# Altium PCB NTAG I2C plus Class4 Antenna v1.PcbDoc
Units mil, origin at the board's own origin, x right, y up, seen from the top; angles counter-clockwise.
Board outline 2750 x 1500 mil, 2 copper layers (Top, Bottom); 6 components, 14 nets, 22 pads, 8 vias.
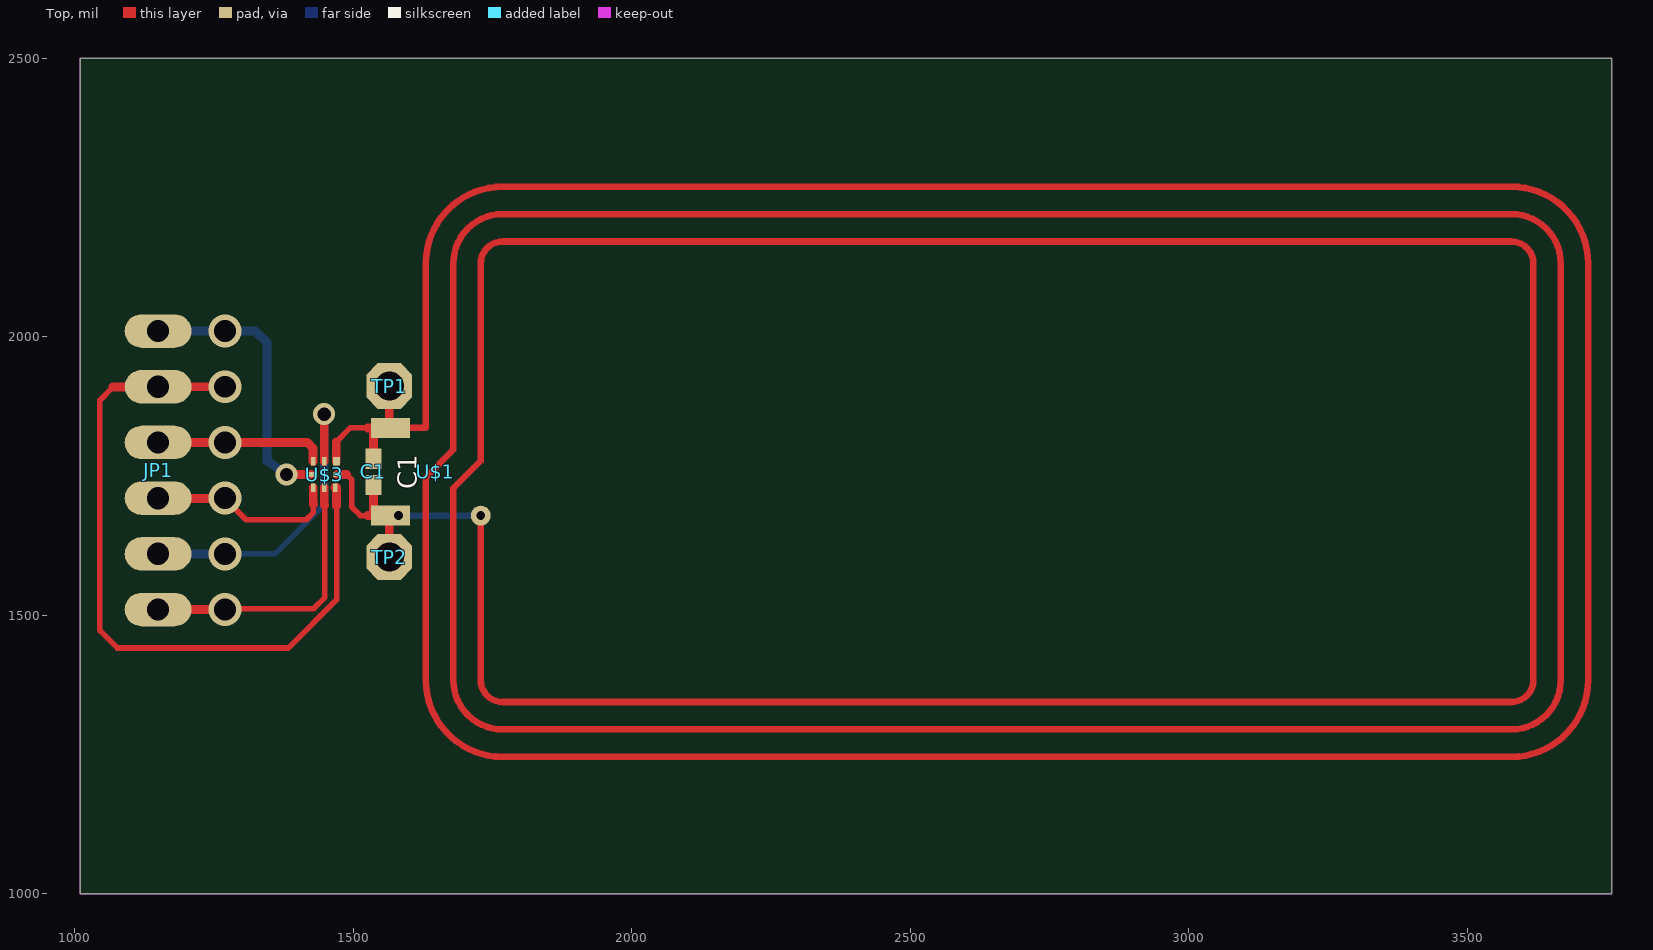
[diagram p0: Top view]
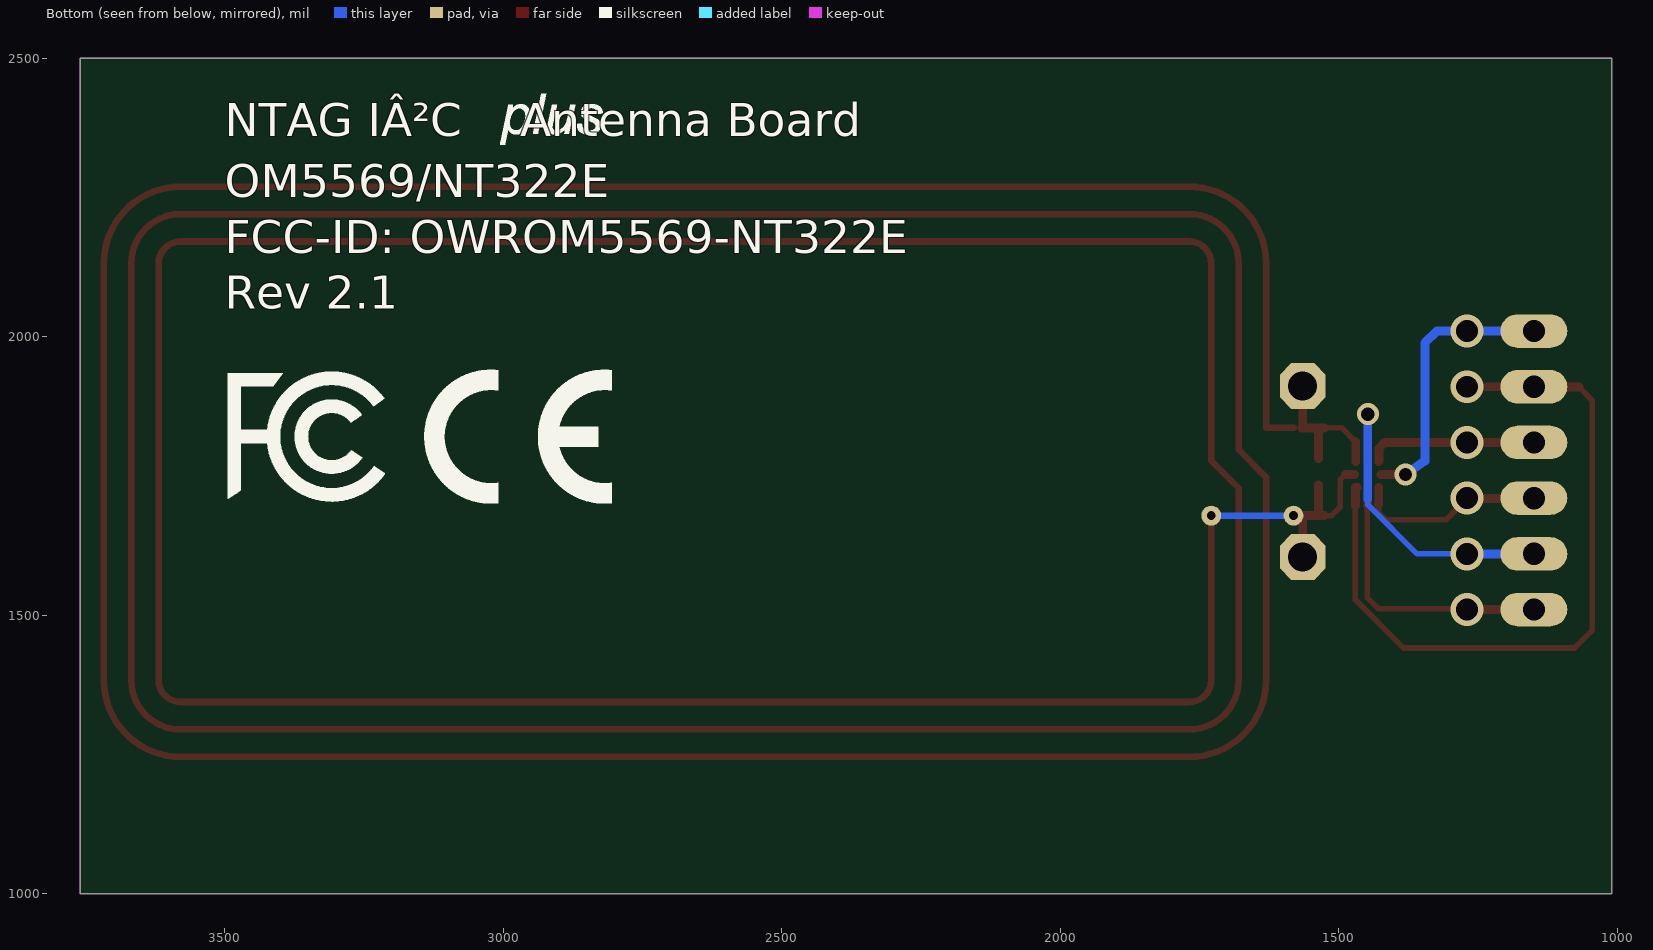
[diagram p1: Bottom view, seen from below]

## Layer stack, top to bottom
Top Solder: solder mask 0.4, Solder Resist, Dk 3.5
Top: signal copper 1.378
Dielectric 1: dielectric 12.6, FR-4, Dk 4.8
Bottom: signal copper 1.378
Bottom Solder: solder mask 0.4, Solder Resist, Dk 3.5

## Board outline
1010,1000 3760,1000 3760,2500 1010,2500

## Design rules (kind name [scope] priority, off if disabled: settings)
Clearance "Clearance (Same Net)" [All] p1: gap=8 ignorepadtopadclearanceinfootprint=FALSE
Clearance [All] p2: gap=8 ignorepadtopadclearanceinfootprint=FALSE
HoleSize [All] p1: absolutevalues=TRUE maxlimit=100000 minlimit=24 maxpercent=80.000 minpercent=20.000
HoleToHoleClearance mdDrill [All] p1: gap=8 allowstackedmicrovias=TRUE
PasteMaskExpansion mlMinCreamFrame [All] p1: expansion=0
PolygonConnect ThermalVias [IsVia] p1: connectstyle=Direct reliefconductorwidth=10 reliefentries=4 polygonreliefangle="90 Angle" airgapwidth=10
PolygonConnect [All] p2: connectstyle=Relief reliefconductorwidth=10 reliefentries=4 polygonreliefangle="90 Angle" airgapwidth=10
RoutingVias [All] p1: holewidth=24 width=40 viastyle="Through Hole" minholewidth=24 minwidth=40 maxholewidth=100 maxwidth=100
SolderMaskExpansion Expansion_SMDSolder_OFF [InPadClass('SMDSolder_OFF')] p1: expansion=0
SolderMaskExpansion mlMinStopFrame [All] p2: expansion=4
Width [All] p1: maxlimit=10000 minlimit=10 preferedwidth=10
27 further rules are at their usual default settings.

## Classes and differential pairs
pad class SMDSolder_OFF: U$3-1 U$3-2 U$3-3 U$3-4 U$3-5 U$3-6 U$3-7 U$3-8

## Components (designator, comment, footprint, x,y, rotation, side; value= is the part's Value field where it differs from the comment)
C1 "" C0402K 1536.5,1757.36 r90 top
JP1 "" 1X06/90 1000,1760 r90 top
TP1 "TPSQPAD1-13" P1-13 1565.04,1911.26 r0 top
TP2 "TPSQPAD1-13" P1-13 1565.04,1604.17 r0 top
U$1 "" 54X27_3TURNS_THIN 2624.09,1757.36 r0 top
U$3 "" SOT902-3 1448.23,1752.44 r270 top

## Footprints (in the part's own frame and the unit in brackets; to place one, negate y for a bottom-side part, rotate by r counter-clockwise, add the part's x,y. Pads: shape width x height; smd on the part's side, far side on the other; paste and mask are expansions set on the pad)
1X06/90 [mil] "1X06/90"
  oval 60x120 / inner round 60 / far side oval 60x120 hole 40: 1(-250,-150) 2(-150,-150) 3(-50,-150) 4(50,-150) 5(150,-150) 6(250,-150)
54X27_3TURNS_THIN [mm] "54X27_3TURNS_THIN"
  rect 1.778x0.914 smd: ANT1(-26.855,2) ANT2(-26.855,-2)
  round 0.908 / inner round 1.524 / far side round 0.908 hole 0.4: P$1(-26.48,-2) P$2(-22.73,-2)
  Top lines w0.3: -26.48,2 -25.23,2 -25.23,9.5 cw(c-21.73,9.5) -21.73,13 24.27,13 cw(c24.27,9.5) 27.77,9.5 27.77,-9.5 cw(c24.27,-9.5) 24.27,-13 -21.73,-13 cw(c-21.73,-9.5) -25.23,-9.5 -25.23,-0.25 -23.98,1 -23.98,9.5 cw(c-21.73,9.5) -21.73,11.75 24.27,11.75 cw(c24.27,9.5) 26.52,9.5 26.52,-9.5 cw(c24.27,-9.5) 24.27,-11.75 -21.73,-11.75 cw(c-21.73,-9.5) -23.98,-9.5 -23.98,-0.75 -22.73,0.5 -22.73,9.5 cw(c-21.73,9.5) -21.73,10.5 24.27,10.5 cw(c24.27,9.5) 25.27,9.5 25.27,-9.5 cw(c24.27,-9.5) 24.27,-10.5 -21.73,-10.5 cw(c-21.73,-9.5) -22.73,-9.5 -22.73,-2
  Bottom lines w0.3: -26.48,-2 -22.73,-2
C0402K [mil] "C0402K"
  rect 36.42x29.13 smd: 1(-23.62,0) 2(23.62,0)
P1-13 [mil] "P1-13"
  oct 82.3x82.3 / inner oct 60x60 / far side oct 82.3x82.3 hole 52: TP(0,0)
SOT902-3 [mil] "SOT902-3"
  rect 15.75x12.6 smd mask+0: 1(-23.62,21.65)
  rect 15.75x8.66 smd mask+0: 2(-23.62,0) 3(-23.62,-19.69) 5(23.62,-19.69) 6(23.62,0) 7(23.62,19.69)
  rect 8.66x15.75 smd mask+0: 4(0,-23.62) 8(0,23.62)

## Part data
C1: library part C0402K, PackageName=C0402K
JP1: library part 1X06/90, PackageName=1X06/90
TP1 TP2: library part P1-13, PackageName=P1-13
U$1: library part 54X27_3TURNS_THIN, PackageName=54X27_3TURNS_THIN
U$3: library part SOT902-3, PackageName=SOT902-3

## Via types
v1: diameter 59.05/59.05 (per signal layer), hole 39.37, Top to Bottom, 6 vias
v2: diameter 39.62/39.62 (per signal layer), hole 23.62, Top to Bottom, tented both sides, 2 vias

## Nets (pads, with @x,y where several pads share a name; then routed paths per layer and width w, separated by ;. In a path a pad name is that pad's centre, name@x,y a point inside that pad or via, vN(x,y) a via of type N, cw(c..) or ccw(c..) an arc to the next point about the centre after c; other vN are vias at no path point)
GND: JP1.2 U$3.2 | length 581.9
  Top w16: U$3.2 v2(1448.23,1860.71)
  Bottom w10: 1269.45,1609.84 1359.61,1609.84 1448.23,1698.46 1448.23,1708.31
  Bottom w16: JP1.2 1150.16,1609.84 1269.45,1609.84 ; 1448.23,1708.31 v2(1448.23,1860.71)
N$1: C1.2 TP1.TP U$1.ANT1 U$3.1 | length 304.7
  Top w10: 1469.88,1811.1 1494.88,1836.1 1526.97,1836.1
  Top w16: U$3.1 1469.88,1811.1 ; 1526.97,1836.1 U$1.ANT1 ; C1.2 1536.5,1836.1 U$1.ANT1 ; TP1.TP 1565.04,1836.1 U$1.ANT1
N$2: C1.1 TP2.TP U$1.ANT2 U$1.P$1 U$3.8 | length 315.9
  Top w10: 1488.56,1752.44 1497.5,1743.5 1497.5,1694.5 1513.38,1678.62 1526.97,1678.62
  Top w16: U$3.8 1488.56,1752.44 ; 1526.97,1678.62 U$1.ANT2 ; C1.1 1536.5,1678.62 U$1.ANT2 ; TP2.TP 1565.04,1678.62 U$1.ANT2
N$3: JP1.1 U$3.6 | length 505.9
  Top w10: 1268.66,1509.84 1270.24,1511.42 1429.29,1511.42 1448.98,1531.1 1448.98,1698.03
  Top w16: JP1.1 1150.16,1509.84 1268.66,1509.84 ; U$3.6 1448.23,1698.78 1448.98,1698.03
N$4: 
  other v1: 1270,2010
N$5: JP1.3 U$3.5 | length 345
  Top w10: JP1.3 JP1.3@1150.55,1709.45 ; 1269.84,1709.45 1308.03,1671.26 1415.91,1671.26 1428.9,1684.25 1428.9,1699.21
  Top w16: JP1.3@1150.55,1709.45 1269.84,1709.45 ; U$3.5 1428.54,1699.57 1428.9,1699.21
N$6: JP1.4 U$3.3 | length 321.9
  Top w16: JP1.4 1417.72,1810 1428.11,1799.61 1428.11,1776.5 U$3.3 1428.54,1791.81
N$7: JP1.6 U$3.4 | length 502.9
  Top w16: v2(1380.32,1752.44) U$3.4
  Bottom w16: JP1.6 1324.37,2010 1345.71,1988.66 1345.71,1777.05 v2(1380.32,1752.44)
N$8: JP1.5 U$3.7 | length 1206.1
  Top w10: 1069.06,1909.45 1045.43,1885.83 1045.43,1472.44 1076.93,1440.94 1384.02,1440.94 1470.63,1527.56 1470.63,1696.85
  Top w16: 1069.06,1909.45 1149.45,1909.45 JP1.5 ; U$3.7 1470.63,1728.82 1470.63,1696.85
N$9:  | length 122.4
  Top w10: 1147.8,1909.45 1148.35,1910
  Top w16: 1148.35,1910 v1(1270,1910)
N$10: 
  other v1: 1270,1810
N$11: 
  other v1: 1270,1710
N$12: 
  other v1: 1270,1610
N$13: 
  other v1: 1270,1510
pads on no net: U$1.P$2

## Keep-outs
Keep-Out Layer:
  the board outline again, w0

## Silkscreen, mask and mechanical layers (free items; w line width, h text height)
Top Overlay:
  text "C1" at 1614,1726 h34 r90
Bottom Overlay:
  drawing of 4312 lines, arcs and shapes, not listed
  text "NTAG IÂ²C    Antenna Board" at 3500,2360 h59.5
  text "OM5569/NT322E" at 3500,2250 h59.5
  text "FCC-ID: OWROM5569-NT322E" at 3500,2150 h59.5
  text "Rev 2.1" at 3500,2050 h59.5
Dimension:
  the board outline again, w0
Top Assembly:
  drawing of 5700 lines, arcs and shapes, not listed
  text "FD" at 1315.83,1986.02 h34
  text "VOUT" at 1315.83,1887.6 h34
  text "SCL" at 1315.83,1804.25 h34
  text "SDA" at 1315.83,1665.83 h34
  text "NTAG IÂ²C" at 1917,1595.68 h59.5
  text "GND" at 1315.83,1587.4 h34
  text "Antenna Board" at 1917,1490.68 h59.5
  text "VCC" at 1315.83,1484.06 h34
  text "54 x 27 mm" at 2963.4,1445.8 h59.5
  text "w 0.3 mm g 0.95 mm" at 2962.6,1389.6 h34
  text "NTAG IÂ²C" at 1489.03,1307.73 h34 r90

## Dimensions
3723.5,1985.5 to 1625,1946 on Courtyard Bottom
3760,1000 to 3760,2500 on Courtyard Bottom
1010,2500 to 3760,2500 on Courtyard Bottom
3560,2275 to 3560,1240 on Courtyard Bottom